# KiCad board eps.kicad_pcb
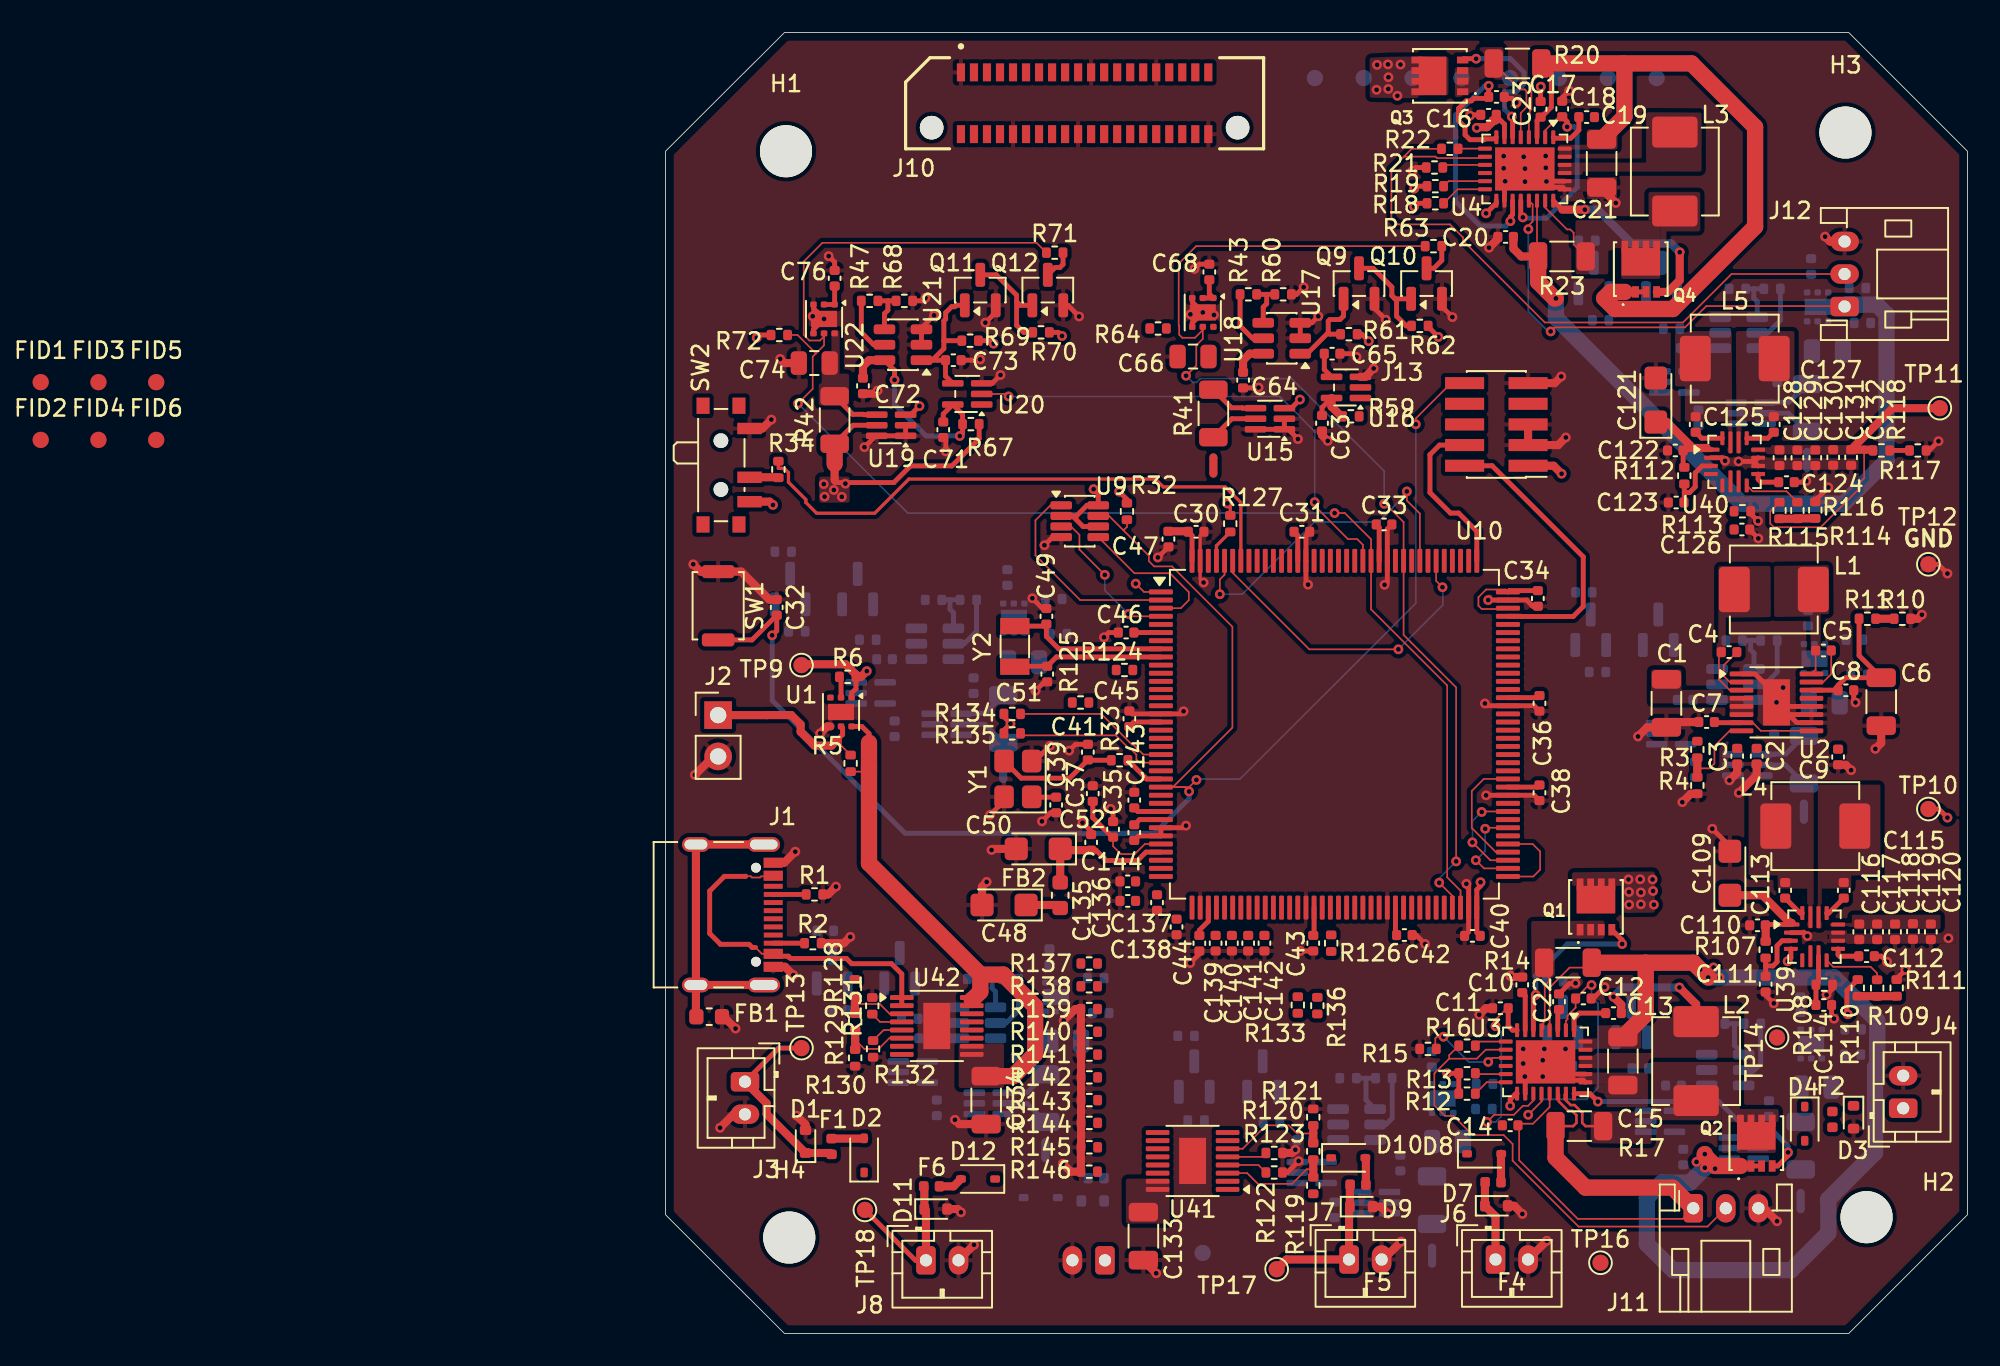
[diagram p0: board, top side]
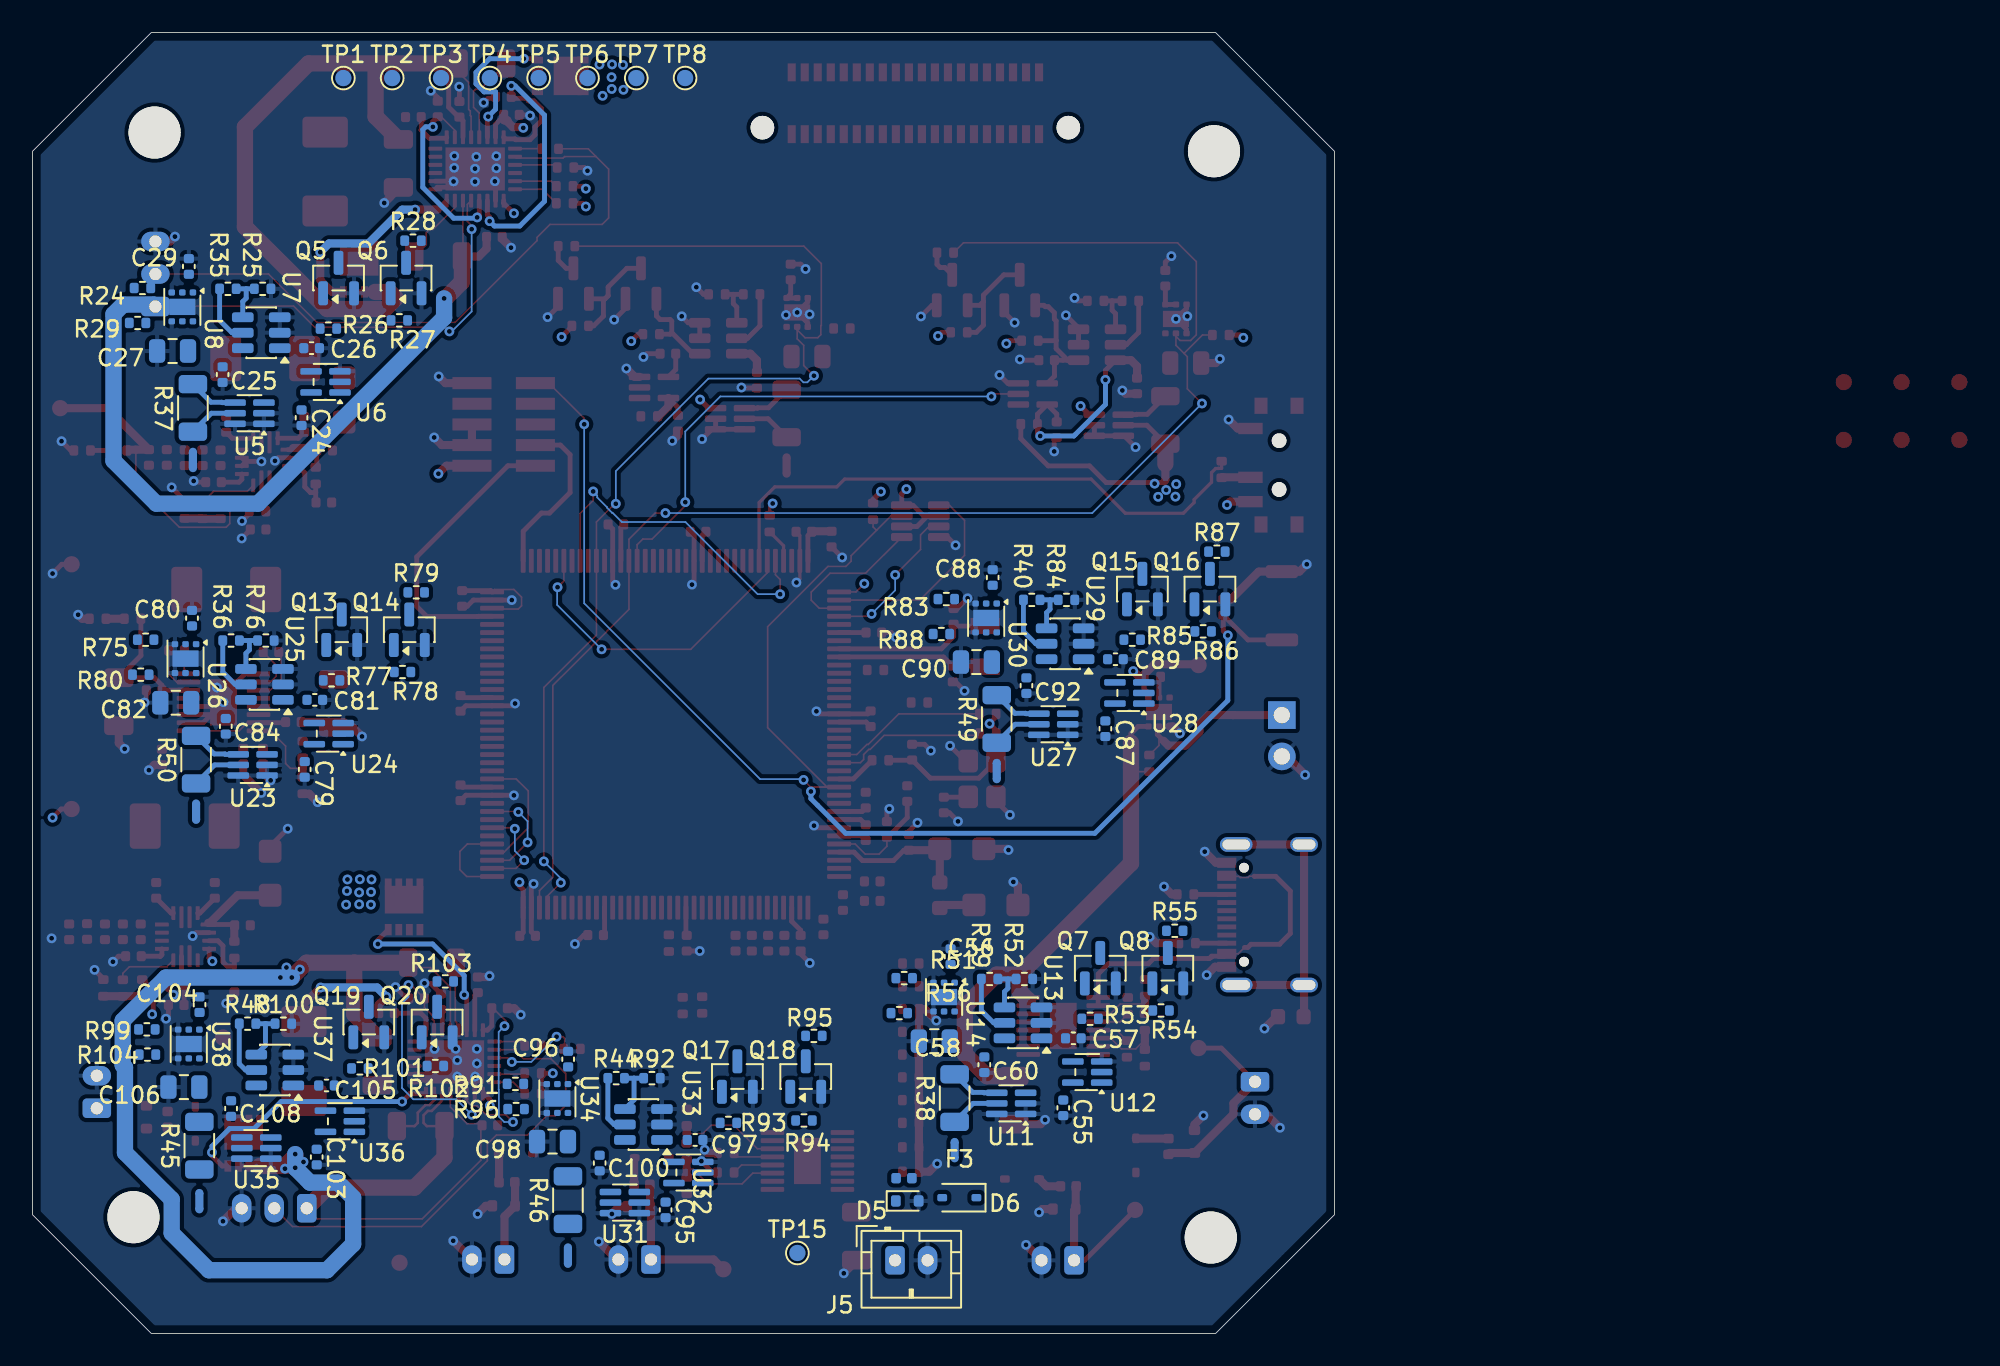
[diagram p1: board, bottom side, seen from below]

Outline 80 x 80 mm; copper layers: Top, In1.Cu, In2.Cu, In3.Cu, In4.Cu, Bottom. Coordinates in mm from the lower left corner of the outline.
Outline path: 0,72.7 0,7.3 7.3,0 72.7,0 80,7.3 80,72.7 72.7,80 7.3,80 0,72.7
Stack: Top 0.035mm / dielectric 0.1mm FR4 er 4.5 / In1.Cu 0.035mm / dielectric 0.535mm FR4 er 4.5 / In2.Cu 0.035mm / dielectric 0.1mm FR4 er 4.5 / In3.Cu 0.035mm / dielectric 0.535mm FR4 er 4.5 / In4.Cu 0.035mm / dielectric 0.1mm FR4 er 4.5 / Bottom 0.035mm

## Placement (name value [footprint] x y rotation side)
C1  47uF  [C_1206_3216Metric]  61.5 38.75 270 top
C2  4.7uF  [C_0402_1005Metric]  67.05 35.5 270 top
C3  1uF  [C_0402_1005Metric]  65.85 35.5 270 top
C4  22n  [C_0402_1005Metric]  65.35 41.9 0 top
C5  22n  [C_0402_1005Metric]  71.15 42 180 top
C6  4.7u  [C_1206_3216Metric]  74.7 38.85 270 top
C7  4.7u  [C_0402_1005Metric]  63.97 37.6 180 top
C8  4.7u  [C_0402_1005Metric]  72.53 39.55 0 top  (not fitted)
C9  4.7u  [C_0402_1005Metric]  72.05 35.45 270 top  (not fitted)
C10  0.1u  [C_0402_1005Metric]  52.64 21.44 90 top
C11  1u  [C_0402_1005Metric]  51.3 20 180 top
C12  4.7u  [C_0402_1005Metric]  56.4 20.6 0 top
C13  22n  [C_0402_1005Metric]  58.25 19.7 0 top
C14  10u  [C_0402_1005Metric]  51.9 12.8 180 top
C15  10u  [C_1206_3216Metric]  58.82 16.75 270 top
C16  0.1u  [C_0402_1005Metric]  50.57 74.94 180 top
C17  1u  [C_0402_1005Metric]  51.06 76.04 0 top
C18  4.7u  [C_0402_1005Metric]  55.1 75.3 90 top
C19  22n  [C_0402_1005Metric]  56.6 74.8 0 top
C20  10u  [C_0402_1005Metric]  51.62 67.43 180 top
C21  10u  [C_1206_3216Metric]  57.52 71.95 270 top
C22  0.1u  [C_0402_1005Metric]  54.9 20.4 90 top
C23  0.1u  [C_0402_1005Metric]  53.77 75.28 90 top
C24  0.1uF  [C_0402_1005Metric]  63.47 56.31 270 bottom
C25  0.1uF  [C_0402_1005Metric]  68.32 58.97 90 bottom
C26  1uF  [C_0402_1005Metric]  62.85 60.59 0 bottom
C27  1uF  [C_0805_2012Metric]  71.4 60.42 180 bottom
C29  0.1uF  [C_0402_1005Metric]  70.4 65.61 270 bottom
C30  100n  [C_0402_1005Metric]  32.6 49.3 0 top
C31  100n  [C_0402_1005Metric]  39.1 49.3 0 top
C32  100n  [C_0402_1005Metric]  6.83 44.65 270 top
C33  100n  [C_0402_1005Metric]  44.15 49.75 0 top
C34  100n  [C_0402_1005Metric]  53.6 45.2 270 top
C35  100n  [C_0402_1005Metric]  27.5 31 90 top
C36  100n  [C_0402_1005Metric]  53.7 38.75 270 top
C37  1u  [C_0402_1005Metric]  26.25 33.2 90 top
C38  100n  [C_0402_1005Metric]  53.7 33.25 270 top
C39  20p  [C_0402_1005Metric]  24 32.5 270 top
C40  100n  [C_0402_1005Metric]  49.58 24.45 180 top
C41  20p  [C_0402_1005Metric]  25.95 35.75 90 top
C42  100n  [C_0402_1005Metric]  45.4 24.5 0 top
C43  100n  [C_0402_1005Metric]  39.8 24 270 top
C44  100n  [C_0402_1005Metric]  32.8 24 270 top
C45  100n  [C_0402_1005Metric]  28.5 37.8 90 top
C46  100n  [C_0402_1005Metric]  28.3 43.1 180 top
C47  4.7u  [C_0402_1005Metric]  30.9 48.85 270 top
C48  1u  [CP_EIA-3216-18_Kemet-A]  20.8 26.35 180 top
C49  10p  [C_0402_1005Metric]  23.4 44.1 270 top
C50  1u  [CP_EIA-3216-18_Kemet-A]  22.9 29.8 180 top
C51  10p  [C_0402_1005Metric]  23.45 40.55 90 top
C52  10n  [C_0402_1005Metric]  26.15 30.2 90 top
C55  0.1uF  [C_0402_1005Metric]  16.66 13.88 270 bottom
C56  0.1uF  [C_0402_1005Metric]  23.59 23.17 270 bottom
C57  1uF  [C_0402_1005Metric]  16.04 18.15 0 bottom
C58  1uF  [C_0805_2012Metric]  24.59 17.97 180 bottom
C60  0.1uF  [C_0402_1005Metric]  21.51 16.53 90 bottom
C63  0.1uF  [C_0402_1005Metric]  40.34 55.97 270 top
C64  0.1uF  [C_0402_1005Metric]  35.49 58.62 90 top
C65  1uF  [C_0402_1005Metric]  40.96 60.25 180 top
C66  1uF  [C_0805_2012Metric]  32.41 60.08 0 top
C68  0.1uF  [C_0402_1005Metric]  33.41 65.28 270 top
C71  0.1uF  [C_0402_1005Metric]  17.06 55.58 270 top
C72  0.1uF  [C_0402_1005Metric]  12.13 58.27 90 top
C73  1uF  [C_0402_1005Metric]  17.68 59.85 180 top
C74  1uF  [C_0805_2012Metric]  9.14 59.67 0 top
C76  0.1uF  [C_0402_1005Metric]  10.39 64.89 270 top
C79  0.1uF  [C_0402_1005Metric]  63.28 34.69 270 bottom
C80  0.1uF  [C_0402_1005Metric]  70.2 43.99 270 bottom
C81  1uF  [C_0402_1005Metric]  62.66 38.96 0 bottom
C82  1uF  [C_0805_2012Metric]  71.2 38.79 180 bottom
C84  0.1uF  [C_0402_1005Metric]  68.12 37.34 90 bottom
C87  0.1uF  [C_0402_1005Metric]  14.07 37.19 270 bottom
C88  0.1uF  [C_0402_1005Metric]  21 46.49 270 bottom
C89  1uF  [C_0402_1005Metric]  13.46 41.46 0 bottom
C90  1uF  [C_0805_2012Metric]  22 41.29 180 bottom
C92  0.1uF  [C_0402_1005Metric]  18.93 39.84 90 bottom
C95  0.1uF  [C_0402_1005Metric]  41.1 7.6 270 bottom
C96  0.1uF  [C_0402_1005Metric]  47.09 16.87 270 bottom
C97  1uF  [C_0402_1005Metric]  39.29 11.9 0 bottom
C98  1uF  [C_0805_2012Metric]  48.05 11.8 180 bottom
C100  0.1uF  [C_0402_1005Metric]  45.15 10.48 90 bottom
C103  0.1uF  [C_0402_1005Metric]  62.54 10.85 270 bottom
C104  0.1uF  [C_0402_1005Metric]  69.74 20.22 270 bottom
C105  1uF  [C_0402_1005Metric]  61.94 15.25 0 bottom
C106  1uF  [C_0805_2012Metric]  70.7 15.15 180 bottom
C108  0.1uF  [C_0402_1005Metric]  67.8 13.83 90 bottom
C109  100u  [CP_EIA-3216-18_Kemet-A]  65.4 28.3 90 top
C110  22u  [C_0402_1005Metric]  67.1 25.1 180 top
C111  22n  [C_0402_1005Metric]  67.6 21.48 270 top
C112  1u  [C_0402_1005Metric]  73.8 23.2 0 top
C113  100n  [C_0402_1005Metric]  68.8 27.25 90 top
C114  22n  [C_0402_1005Metric]  71.17 20.2 0 top
C115  100n  [C_0402_1005Metric]  72.4 27.25 90 top
C116  22u  [C_0402_1005Metric]  73.35 24.7 270 top
C117  22u  [C_0402_1005Metric]  74.45 24.7 270 top
C118  22u  [C_0402_1005Metric]  75.55 24.7 270 top
C119  22u  [C_0402_1005Metric]  76.65 24.72 270 top
C120  22u  [C_0402_1005Metric]  77.75 24.7 270 top
C121  100u  [CP_EIA-3216-18_Kemet-A]  60.85 57.4 90 top
C122  22u  [C_0402_1005Metric]  62.05 54.3 180 top
C123  22n  [C_0402_1005Metric]  62.1 51.1 180 top
C124  1u  [C_0402_1005Metric]  68.88 52.35 0 top
C125  100n  [C_0402_1005Metric]  63.3 55.9 90 top
C126  22n  [C_0402_1005Metric]  66.14 49.44 0 top
C127  100n  [C_0402_1005Metric]  68.1 55.9 90 top
C128  22u  [C_0402_1005Metric]  68.45 53.85 270 top
C129  22u  [C_0402_1005Metric]  69.55 53.85 270 top
C130  22u  [C_0402_1005Metric]  70.65 53.85 270 top
C131  22u  [C_0402_1005Metric]  71.75 53.87 270 top
C132  22u  [C_0402_1005Metric]  72.85 53.87 270 top
C133  4.7u  [C_1206_3216Metric]  29.36 5.98 270 top
C134  4.7u  [C_1206_3216Metric]  19.7 14.35 270 top
C135  100n  [C_0402_1005Metric]  28.4 27.8 180 top
C136  100n  [C_0402_1005Metric]  28.4 26.6 180 top
C137  100n  [C_0402_1005Metric]  30.2 26.5 270 top
C138  100n  [C_0402_1005Metric]  31.4 25 270 top
C139  100n  [C_0402_1005Metric]  33.8 24 270 top
C140  100n  [C_0402_1005Metric]  34.8 24 270 top
C141  100n  [C_0402_1005Metric]  35.8 24 270 top
C142  100n  [C_0402_1005Metric]  36.8 24 270 top
C143  100n  [C_0402_1005Metric]  28.8 32.8 90 top
C144  100n  [C_0402_1005Metric]  28.8 30.8 270 top
D1  D_TVS  [D_SOD-523]  8.6 11.8 90 top
D2  D_Schottky  [D_SOD-323]  12.2 10.95 90 top
D3  D_TVS  [D_SOD-523]  73 13.3 270 top
D4  D_Schottky  [D_SOD-323]  70 12.9 270 top
D5  D_TVS  [D_SOD-523]  26.25 8.15 180 bottom
D6  D_Schottky  [D_SOD-323]  23.05 8.35 0 bottom
D7  D_TVS  [D_SOD-523]  51.05 7.85 0 top
D8  D_Schottky  [D_SOD-323]  50.3 11.05 0 top
D9  D_TVS  [D_SOD-523]  42.75 7.8 0 top
D10  D_Schottky  [D_SOD-323]  41.95 10.8 0 top
D11  D_TVS  [D_SOD-523]  16.6 7.65 0 top
D12  D_Schottky  [D_SOD-323]  19.2 9.5 180 top
F1  Polyfuse  [Fuse_0402_1005Metric]  10.2 11.5 90 top
F2  Polyfuse  [Fuse_0402_1005Metric]  71.7 13.17 270 top
F3  Polyfuse  [Fuse_0402_1005Metric]  26.45 9.55 180 bottom
F4  Polyfuse  [Fuse_0402_1005Metric]  50.85 9.3 0 top
F5  Polyfuse  [Fuse_0402_1005Metric]  42.55 9.15 0 top
F6  Polyfuse  [Fuse_0402_1005Metric]  16.35 9.05 0 top
FB1  120R  [L_0603_1608Metric]  2.68 19.48 0 top
FB2  120R  [L_0603_1608Metric]  24.25 26.95 90 top
FID1  Fiducial  [Fiducial_1mm_Mask2mm]  -38.4 58.5 0 top
FID2  Fiducial  [Fiducial_1mm_Mask2mm]  -38.4 54.95 0 top
FID3  Fiducial  [Fiducial_1mm_Mask2mm]  -34.85 58.5 0 top
FID4  Fiducial  [Fiducial_1mm_Mask2mm]  -34.85 54.95 0 top
FID5  Fiducial  [Fiducial_1mm_Mask2mm]  -31.3 58.5 0 top
FID6  Fiducial  [Fiducial_1mm_Mask2mm]  -31.3 54.95 0 top
H1  MountingHole  [MountingHole_3.2mm_M3]  7.4 72.7 0 top
H2  MountingHole  [MountingHole_3.2mm_M3]  73.8 7.15 0 top
H3  MountingHole  [MountingHole_3.2mm_M3]  72.5 73.85 0 top
H4  MountingHole  [MountingHole_3.2mm_M3]  7.6 5.9 0 top
J1  USB_C_Receptacle_USB2.0_16P  [USB_C_Receptacle_Palconn_UTC16-G]  4.1 25.75 270 top
J2  Conn_01x02  [PinHeader_1x02_P2.54mm_Vertical]  3.23 38.03 0 top
J3  Conn_01x02  [JST_PH_B2B-PH-K_1x02_P2.00mm_Vertical]  4.88 15.48 270 top
J4  Conn_01x02  [JST_PH_B2B-PH-K_1x02_P2.00mm_Vertical]  76.05 13.85 90 top
J5  Conn_01x02  [JST_PH_B2B-PH-K_1x02_P2.00mm_Vertical]  27 4.5 180 bottom
J6  Conn_01x02  [JST_PH_B2B-PH-K_1x02_P2.00mm_Vertical]  51 4.55 0 top
J7  Conn_01x02  [JST_PH_B2B-PH-K_1x02_P2.00mm_Vertical]  42 4.55 0 top
J8  Conn_01x02  [JST_PH_B2B-PH-K_1x02_P2.00mm_Vertical]  16 4.5 0 top
J10  Conn_02x20_Counter_Clockwise  [SAMTEC_ERM8-020-X-X-DV]  25.75 75.65 0 top
J11  Conn_01x03  [JST_PH_S3B-PH-K_1x03_P2.00mm_Horizontal]  63.15 7.7 0 top
J12  Conn_01x03  [JST_PH_S3B-PH-K_1x03_P2.00mm_Horizontal]  72.45 63.15 90 top
J13  Conn_ARM_JTAG_SWD_10  [PinHeader_2x05_P1.27mm_Vertical_SMD]  51.05 55.9 180 top
L1  6.8uH  [L_Vishay_IHLP-2020]  68.1 45.75 0 top
L2  6.8u  [L_Vishay_IHLP-2020]  63.32 16.75 270 top
L3  6.8u  [L_Vishay_IHLP-2020]  62.02 71.45 270 top
L4  4.7u  [L_Vishay_IHLP-2020]  70.65 31.2 0 top
L5  4.7u  [L_Vishay_IHLP-2020]  65.7 59.95 0 top
NT1  NetTie_2  [NetTie-2_SMD_Pad0.5mm]  70.15 53.72 90 bottom
NT2  NetTie_2  [NetTie-2_SMD_Pad0.5mm]  23.34 11.28 90 bottom
NT3  NetTie_2  [NetTie-2_SMD_Pad0.5mm]  33.66 53.38 90 top
NT4  NetTie_2  [NetTie-2_SMD_Pad0.5mm]  10.39 52.97 90 top
NT5  NetTie_2  [NetTie-2_SMD_Pad0.5mm]  69.95 32.09 90 bottom
NT6  NetTie_2  [NetTie-2_SMD_Pad0.5mm]  20.75 34.59 90 bottom
NT7  NetTie_2  [NetTie-2_SMD_Pad0.5mm]  47.1 4.79 90 bottom
NT8  NetTie_2  [NetTie-2_SMD_Pad0.5mm]  69.75 8.14 90 bottom
Q1  NMOS  [TRANS_FDMC8327L]  57.17 26.23 90 top
Q2  NMOS  [TRANS_FDMC8327L]  67.03 11.7 90 top
Q3  NMOS  [TRANS_FDMC8327L]  47.58 77.34 180 top
Q4  NMOS  [TRANS_FDMC8327L]  59.93 65.45 90 top
Q5  IRLML0030  [SOT-23]  61.2 64.9 90 bottom
Q6  IRLML0030  [SOT-23]  57.05 64.9 90 bottom
Q7  IRLML0030  [SOT-23]  14.39 22.46 90 bottom
Q8  IRLML0030  [SOT-23]  10.24 22.46 90 bottom
Q9  IRLML0030  [SOT-23]  42.61 64.56 90 top
Q10  IRLML0030  [SOT-23]  46.76 64.56 90 top
Q11  IRLML0030  [SOT-23]  19.34 64.16 90 top
Q12  IRLML0030  [SOT-23]  23.49 64.16 90 top
Q13  IRLML0030  [SOT-23]  61 43.28 90 bottom
Q14  IRLML0030  [SOT-23]  56.85 43.28 90 bottom
Q15  IRLML0030  [SOT-23]  11.8 45.78 90 bottom
Q16  IRLML0030  [SOT-23]  7.65 45.78 90 bottom
Q17  IRLML0030  [SOT-23]  36.69 15.8 90 bottom
Q18  IRLML0030  [SOT-23]  32.49 15.8 90 bottom
Q19  IRLML0030  [SOT-23]  59.34 19.15 90 bottom
Q20  IRLML0030  [SOT-23]  55.14 19.15 90 bottom
R1  5.1k  [R_0402_1005Metric]  9.15 27 0 top
R2  5.1k  [R_0402_1005Metric]  9.05 24 0 top
R3  10M  [R_0402_1005Metric]  63.4 35.91 270 top
R4  1M  [R_0402_1005Metric]  63.4 33.7 270 top
R5  100k  [R_0402_1005Metric]  11.37 35.06 270 top
R6  0  [R_0402_1005Metric]  11.19 40.38 0 top  (not fitted)
R10  18k  [R_0402_1005Metric]  76 43.95 0 top
R11  18k  [R_0402_1005Metric]  73.85 43.95 0 top
R12  4.7k  [R_0402_1005Metric]  49.25 14.75 180 top
R13  4.7k  [R_0402_1005Metric]  49.25 16 180 top
R14  16m  [R_1206_3216Metric]  55.45 22.8 0 top
R15  63.4k  [R_0402_1005Metric]  46.85 17.5 180 top
R16  10k  [R_0402_1005Metric]  49.25 17.7 180 top
R17  10m  [R_1206_3216Metric]  56.15 12.75 180 top
R18  4.7k  [R_0402_1005Metric]  47.3 69.5 180 top
R19  4.7k  [R_0402_1005Metric]  47.3 70.55 180 top
R20  16m  [R_1206_3216Metric]  52.35 78.1 0 top
R21  63.4k  [R_0402_1005Metric]  47.25 71.7 180 top
R22  10k  [R_0402_1005Metric]  48.19 72.85 180 top
R23  10m  [R_1206_3216Metric]  55.08 66.23 180 top
R24  0  [R_0402_1005Metric]  73.25 64.29 180 bottom
R25  100k  [R_0402_1005Metric]  65.86 64.24 180 bottom
R26  1M  [R_0402_1005Metric]  61.82 61.79 0 bottom
R27  1M  [R_0402_1005Metric]  57.46 62.3 0 bottom
R28  0  [R_0402_1005Metric]  56.62 67.2 180 bottom
R29  1M  [R_0402_1005Metric]  73.55 62.14 180 bottom
R32  2k  [R_0402_1005Metric]  28.35 50.55 270 top
R33  390  [R_0402_1005Metric]  27.9 35.25 180 top
R34  10k  [R_0402_1005Metric]  6.93 53.13 270 top
R35  100k  [R_0402_1005Metric]  68 64.24 180 bottom
R36  200k  [R_0402_1005Metric]  67.8 42.61 180 bottom
R37  20m  [R_1206_3216Metric]  70.15 56.92 90 bottom
R38  20m  [R_1206_3216Metric]  23.34 14.47 90 bottom
R39  140k  [R_0402_1005Metric]  21.19 21.8 180 bottom
R40  200k  [R_0402_1005Metric]  18.6 45.11 180 bottom
R41  20m  [R_1206_3216Metric]  33.66 56.58 90 top
R42  20m  [R_1206_3216Metric]  10.39 56.17 90 top
R43  300k  [R_0402_1005Metric]  35.81 63.9 0 top
R44  49.9k  [R_0402_1005Metric]  44.14 15.7 180 bottom
R45  20m  [R_1206_3216Metric]  69.75 11.55 90 bottom
R46  20m  [R_1206_3216Metric]  47.1 8.2 90 bottom
R47  300k  [R_0402_1005Metric]  12.54 63.5 0 top
R48  20k  [R_0402_1005Metric]  66.79 19.05 180 bottom
R49  20m  [R_1206_3216Metric]  20.75 37.79 90 bottom
R50  20m  [R_1206_3216Metric]  69.95 35.29 90 bottom
R51  0  [R_0402_1005Metric]  26.44 21.85 180 bottom
R52  100k  [R_0402_1005Metric]  19.05 21.8 180 bottom
R53  1M  [R_0402_1005Metric]  15.01 19.35 0 bottom
R54  1M  [R_0402_1005Metric]  10.65 19.86 0 bottom
R55  0  [R_0402_1005Metric]  9.81 24.76 180 bottom
R56  1M  [R_0402_1005Metric]  26.74 19.7 180 bottom
R59  0  [R_0402_1005Metric]  42.11 56.4 180 top
R60  100k  [R_0402_1005Metric]  37.95 63.9 0 top
R61  1M  [R_0402_1005Metric]  41.99 61.45 180 top
R62  1M  [R_0402_1005Metric]  46.35 61.96 180 top
R63  0  [R_0402_1005Metric]  47.19 66.86 0 top
R64  1M  [R_0402_1005Metric]  30.26 61.8 0 top
R67  0  [R_0402_1005Metric]  18.76 55.92 180 top
R68  100k  [R_0402_1005Metric]  14.67 63.5 0 top
R69  1M  [R_0402_1005Metric]  18.71 61.05 180 top
R70  1M  [R_0402_1005Metric]  23.07 61.56 180 top
R71  0  [R_0402_1005Metric]  23.91 66.46 0 top
R72  1M  [R_0402_1005Metric]  6.99 61.4 0 top
R75  0  [R_0402_1005Metric]  73.05 42.66 180 bottom
R76  100k  [R_0402_1005Metric]  65.66 42.61 180 bottom
R77  1M  [R_0402_1005Metric]  61.62 40.16 0 bottom
R78  1M  [R_0402_1005Metric]  57.26 40.67 0 bottom
R79  0  [R_0402_1005Metric]  56.43 45.58 180 bottom
R80  1M  [R_0402_1005Metric]  73.35 40.51 180 bottom
R83  0  [R_0402_1005Metric]  23.85 45.16 180 bottom
R84  100k  [R_0402_1005Metric]  16.47 45.11 180 bottom
R85  1M  [R_0402_1005Metric]  12.43 42.66 0 bottom
R86  1M  [R_0402_1005Metric]  8.06 43.17 0 bottom
R87  0  [R_0402_1005Metric]  7.22 48.08 180 bottom
R88  1M  [R_0402_1005Metric]  24.15 43.01 180 bottom
R91  0  [R_0402_1005Metric]  50.33 15.35 180 bottom
R92  100k  [R_0402_1005Metric]  41.94 15.7 180 bottom
R93  1M  [R_0402_1005Metric]  37.24 12.95 0 bottom
R94  1M  [R_0402_1005Metric]  32.6 13.1 0 bottom
R95  0  [R_0402_1005Metric]  31.99 18.3 0 bottom
R96  1M  [R_0402_1005Metric]  50.29 13.8 180 bottom
R99  0  [R_0402_1005Metric]  72.98 18.7 180 bottom
R100  100k  [R_0402_1005Metric]  64.59 19.05 180 bottom
R101  1M  [R_0402_1005Metric]  59.89 16.3 0 bottom
R102  1M  [R_0402_1005Metric]  55.25 16.45 0 bottom
R103  0  [R_0402_1005Metric]  54.64 21.65 0 bottom
R104  1M  [R_0402_1005Metric]  72.94 17.15 180 bottom
R107  499k  [R_0402_1005Metric]  67.6 23.6 270 top
R108  499k  [R_0402_1005Metric]  71.2 21.45 0 top
R109  900k  [R_0402_1005Metric]  74.45 21.24 270 top
R110  430k  [R_0402_1005Metric]  73.26 21.25 270 top
R111  187k  [R_0402_1005Metric]  75.65 21.25 90 top
R112  499k  [R_0402_1005Metric]  62.6 52.75 270 top
R113  499k  [R_0402_1005Metric]  66.17 50.56 0 top
R114  806k  [R_0402_1005Metric]  69.55 50.61 270 top
R115  430k  [R_0402_1005Metric]  68.45 50.61 270 top
R116  107k  [R_0402_1005Metric]  70.65 50.63 90 top
R117  18k  [R_0402_1005Metric]  76.95 54.3 0 top
R118  18k  [R_0402_1005Metric]  74.71 54.3 0 top
R119  680k  [R_0402_1005Metric]  39.8 9.1 90 top
R120  100k  [R_0402_1005Metric]  39.8 11.2 90 top
R121  100k  [R_0402_1005Metric]  39.8 13.3 90 top
R122  50k  [R_0402_1005Metric]  37.4 9.9 0 top
R123  50k  [R_0402_1005Metric]  37.4 11.1 0 top
R124  470k  [R_0402_1005Metric]  28.2 40.8 0 top
R125  470k  [R_0402_1005Metric]  25.5 38.8 0 top
R126  470k  [R_0402_1005Metric]  40.9 24 90 top
R127  470k  [R_0402_1005Metric]  34.7 49.8 270 top
R128  680k  [R_0402_1005Metric]  11.63 21.26 270 top
R129  100k  [R_0402_1005Metric]  11.65 19.16 270 top
R130  100k  [R_0402_1005Metric]  11.65 16.95 270 top
R131  50k  [R_0402_1005Metric]  12.7 20.15 90 top
R132  50k  [R_0402_1005Metric]  12.75 17.5 270 top
R133  470k  [R_0402_1005Metric]  38.85 20.2 90 top
R134  470k  [R_0402_1005Metric]  21.3 38.1 0 top
R135  470k  [R_0402_1005Metric]  21.3 36.9 0 top
R136  470k  [R_0402_1005Metric]  40.05 20.16 90 top
R137  1.5k  [R_0402_1005Metric]  26.03 22.75 180 top
R138  1.5k  [R_0402_1005Metric]  26.03 21.35 180 top
R139  1.5k  [R_0402_1005Metric]  26.03 19.95 0 top
R140  1.5k  [R_0402_1005Metric]  26.04 18.55 0 top
R141  1.5k  [R_0402_1005Metric]  26.04 17.15 0 top
R142  1.5k  [R_0402_1005Metric]  26.04 15.75 0 top
R143  1.5k  [R_0402_1005Metric]  26.04 14.35 0 top
R144  1.5k  [R_0402_1005Metric]  26.04 12.95 0 top
R145  1.5k  [R_0402_1005Metric]  26.04 11.45 0 top
R146  1.5k  [R_0402_1005Metric]  26.03 9.95 0 top
SW1  SW_Push  [SW_Push_SPST_NO_Alps_SKRK]  3.23 44.75 270 top
SW2  SW_SPDT  [SW_SPDT_PCM12]  3.73 53.4 270 top
TP1  TestPoint  [TestPoint_Pad_D1.0mm]  60.9 77.2 180 bottom
TP2  TestPoint  [TestPoint_Pad_D1.0mm]  57.9 77.2 180 bottom
TP3  TestPoint  [TestPoint_Pad_D1.0mm]  54.9 77.2 180 bottom
TP4  TestPoint  [TestPoint_Pad_D1.0mm]  51.9 77.2 180 bottom
TP5  TestPoint  [TestPoint_Pad_D1.0mm]  48.9 77.2 180 bottom
TP6  TestPoint  [TestPoint_Pad_D1.0mm]  45.9 77.2 180 bottom
TP7  TestPoint  [TestPoint_Pad_D1.0mm]  42.9 77.2 180 bottom
TP8  TestPoint  [TestPoint_Pad_D1.0mm]  39.9 77.2 180 bottom
TP9  TestPoint  [TestPoint_Pad_D1.0mm]  8.35 41.1 0 top
TP10  TestPoint  [TestPoint_Pad_D1.0mm]  77.6 32.25 0 top
TP11  TestPoint  [TestPoint_Pad_D1.0mm]  78.3 56.9 0 top
TP12  TestPoint  [TestPoint_Pad_D1.0mm]  77.6 47.3 0 top
TP13  TestPoint  [TestPoint_Pad_D1.0mm]  8.35 17.55 0 top
TP14  TestPoint  [TestPoint_Pad_D1.0mm]  68.3 18.2 0 top
TP15  TestPoint  [TestPoint_Pad_D1.0mm]  33 4.95 180 bottom
TP16  TestPoint  [TestPoint_Pad_D1.0mm]  57.45 4.35 0 top
TP17  TestPoint  [TestPoint_Pad_D1.0mm]  37.55 3.95 0 top
TP18  TestPoint  [TestPoint_Pad_D1.0mm]  12.25 7.6 0 top
U1  TPS22810DRV  [WSON-6-1EP_2x2mm_P0.65mm_EP1x1.6mm]  10.78 38.22 270 top
U2  LTC3130-1  [MSOP-16-1EP_3x4.039mm_P0.5mm_EP1.651x2.845mm]  68.26 38.81 0 top
U3  LTC4162-L  [QFN-28-1EP_4x5mm_P0.5mm_EP2.65x3.65mm]  54.07 16.7 270 top
U4  LTC4162-L  [QFN-28-1EP_4x5mm_P0.5mm_EP2.65x3.65mm]  52.8 71.61 270 top
U5  NCS214RSQT2G  [SOT-363_SC-70-6]  66.67 56.59 0 bottom
U6  74LVC1G07SE-7  [SOT-353_SC-70-5]  62 58.52 0 bottom
U7  ~  [SOT-23-6]  65.95 61.54 0 bottom
U8  TPS22810DRVT  [WSON-6-1EP_2x2mm_P0.65mm_EP1x1.6mm]  70.8 63.13 270 bottom
U9  TPS35-Q1  [SOT-23-8]  25.45 49.95 0 top
U10  STM32L496ZGTx  [LQFP-144_20x20mm_P0.5mm]  41.1 36.85 0 top
U11  NCS214RSQT2G  [SOT-363_SC-70-6]  19.86 14.15 0 bottom
U12  74LVC1G07SE-7  [SOT-353_SC-70-5]  15.19 16.08 0 bottom
U13  ~  [SOT-23-6]  19.14 19.1 0 bottom
U14  TPS22810DRVT  [WSON-6-1EP_2x2mm_P0.65mm_EP1x1.6mm]  23.99 20.69 270 bottom
U15  NCS214RSQT2G  [SOT-363_SC-70-6]  37.14 56.25 180 top
U16  74LVC1G07SE-7  [SOT-353_SC-70-5]  41.81 58.17 180 top
U17  ~  [SOT-23-6]  37.86 61.2 180 top
U18  TPS22810DRVT  [WSON-6-1EP_2x2mm_P0.65mm_EP1x1.6mm]  33.01 62.79 270 top
U19  NCS214RSQT2G  [SOT-363_SC-70-6]  13.86 55.85 180 top
U20  74LVC1G07SE-7  [SOT-353_SC-70-5]  18.54 57.78 180 top
U21  ~  [SOT-23-6]  14.59 60.8 180 top
U22  TPS22810DRVT  [WSON-6-1EP_2x2mm_P0.65mm_EP1x1.6mm]  9.74 62.39 270 top
U23  NCS214RSQT2G  [SOT-363_SC-70-6]  66.47 34.96 0 bottom
U24  74LVC1G07SE-7  [SOT-353_SC-70-5]  61.8 36.89 0 bottom
U25  ~  [SOT-23-6]  65.75 39.91 0 bottom
U26  TPS22810DRVT  [WSON-6-1EP_2x2mm_P0.65mm_EP1x1.6mm]  70.6 41.5 270 bottom
U27  NCS214RSQT2G  [SOT-363_SC-70-6]  17.28 37.46 0 bottom
U28  74LVC1G07SE-7  [SOT-353_SC-70-5]  12.6 39.39 0 bottom
U29  ~  [SOT-23-6]  16.55 42.41 0 bottom
U30  TPS22810DRVT  [WSON-6-1EP_2x2mm_P0.65mm_EP1x1.6mm]  21.4 44 270 bottom
U31  NCS214RSQT2G  [SOT-363_SC-70-6]  43.6 8.05 0 bottom
U32  74LVC1G07SE-7  [SOT-353_SC-70-5]  39.7 9.9 0 bottom
U33  ~  [SOT-23-6]  42.46 12.85 0 bottom
U34  TPS22810DRVT  [WSON-6-1EP_2x2mm_P0.65mm_EP1x1.6mm]  47.75 14.45 270 bottom
U35  NCS214RSQT2G  [SOT-363_SC-70-6]  66.25 11.4 0 bottom
U36  74LVC1G07SE-7  [SOT-353_SC-70-5]  61.11 13.05 0 bottom
U37  ~  [SOT-23-6]  65.11 16.2 0 bottom
U38  TPS22810DRVT  [WSON-6-1EP_2x2mm_P0.65mm_EP1x1.6mm]  70.4 17.8 270 bottom
U39  MP28167-A  [MPS_QFN-16_3x3mm_P0.5mm]  70.6 24.4 0 top
U40  MP28167-A  [MPS_QFN-16_3x3mm_P0.5mm]  65.69 53.6 0 top
U41  LTC4415  [MSOP-16-1EP_3x4.039mm_P0.5mm_EP1.651x2.845mm]  32.38 10.61 180 top
U42  LTC4415  [MSOP-16-1EP_3x4.039mm_P0.5mm_EP1.651x2.845mm]  16.66 18.91 0 top